# Altium PCB LST_UP.PcbDoc (part 1 of 5)
Units mil, origin at the board's own origin, x right, y up, seen from the top; angles counter-clockwise.
Board outline 4330.71 x 4330.71 mil, 2 copper layers (Top Layer, Bottom Layer), stack 50 mil thick; 469 components, 244 nets, 1341 pads, 130 vias.
Unrouted connection lines stored in the file: 12.
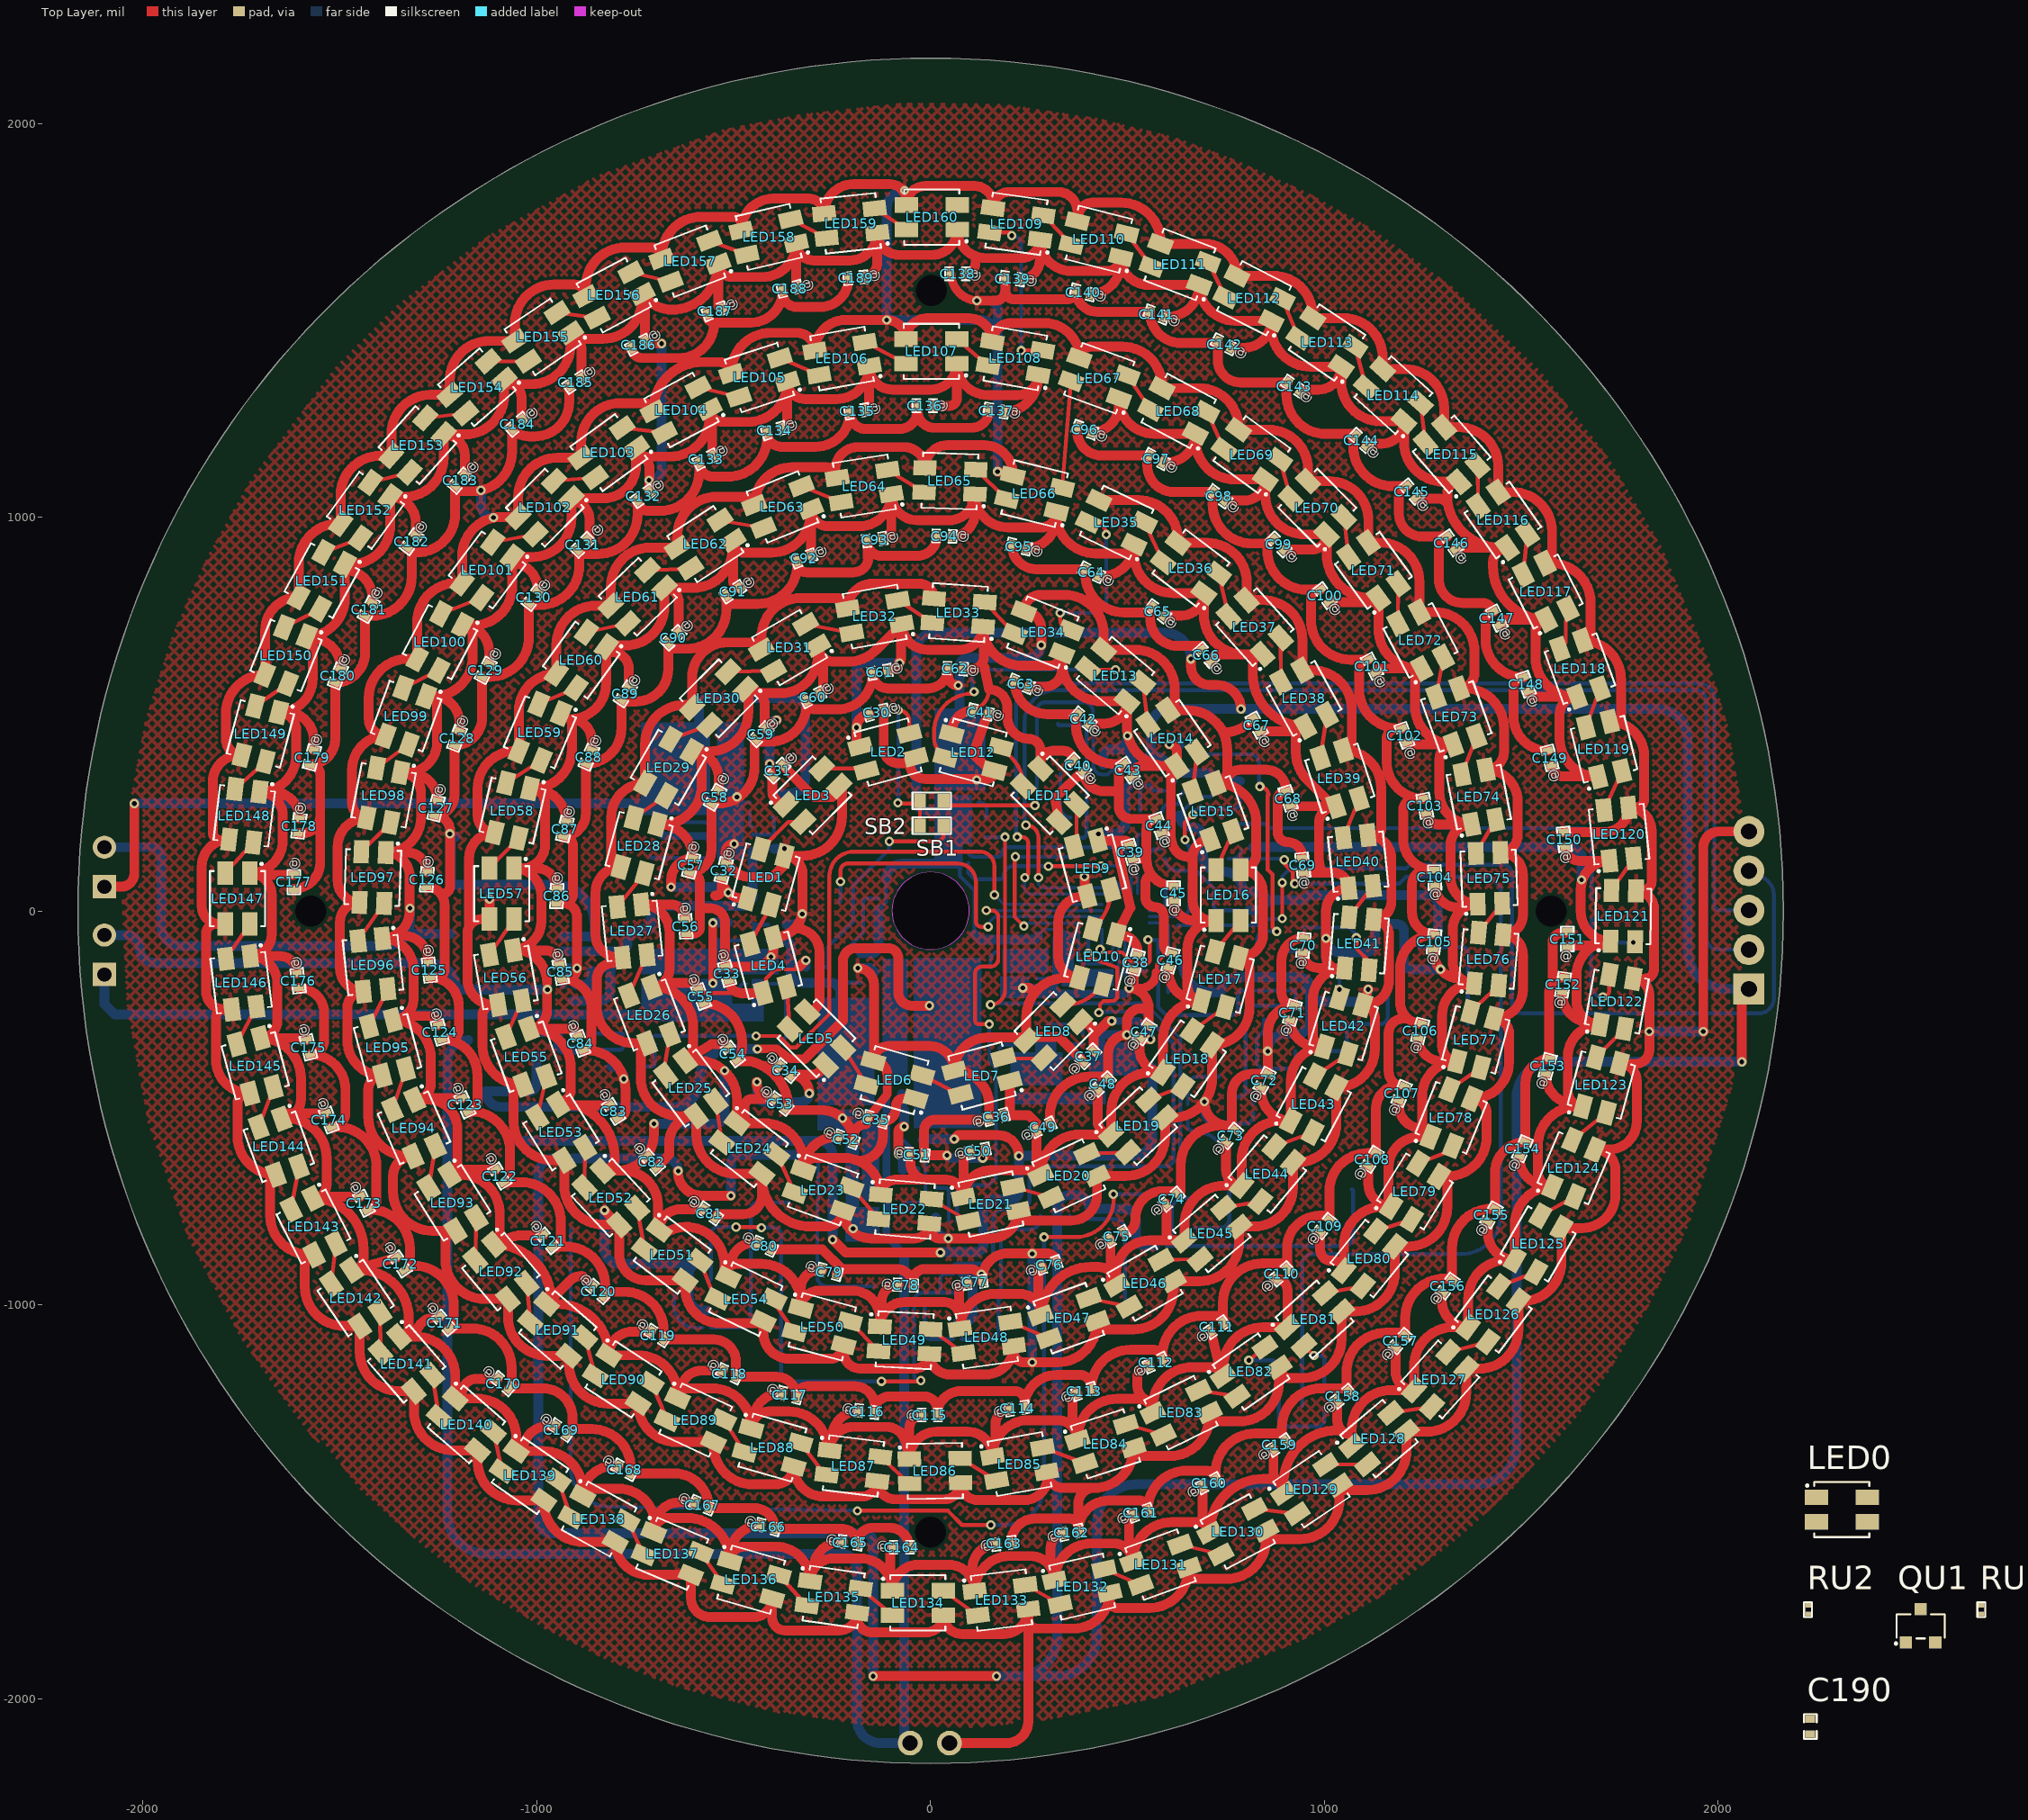
[diagram p0: Top Layer view]
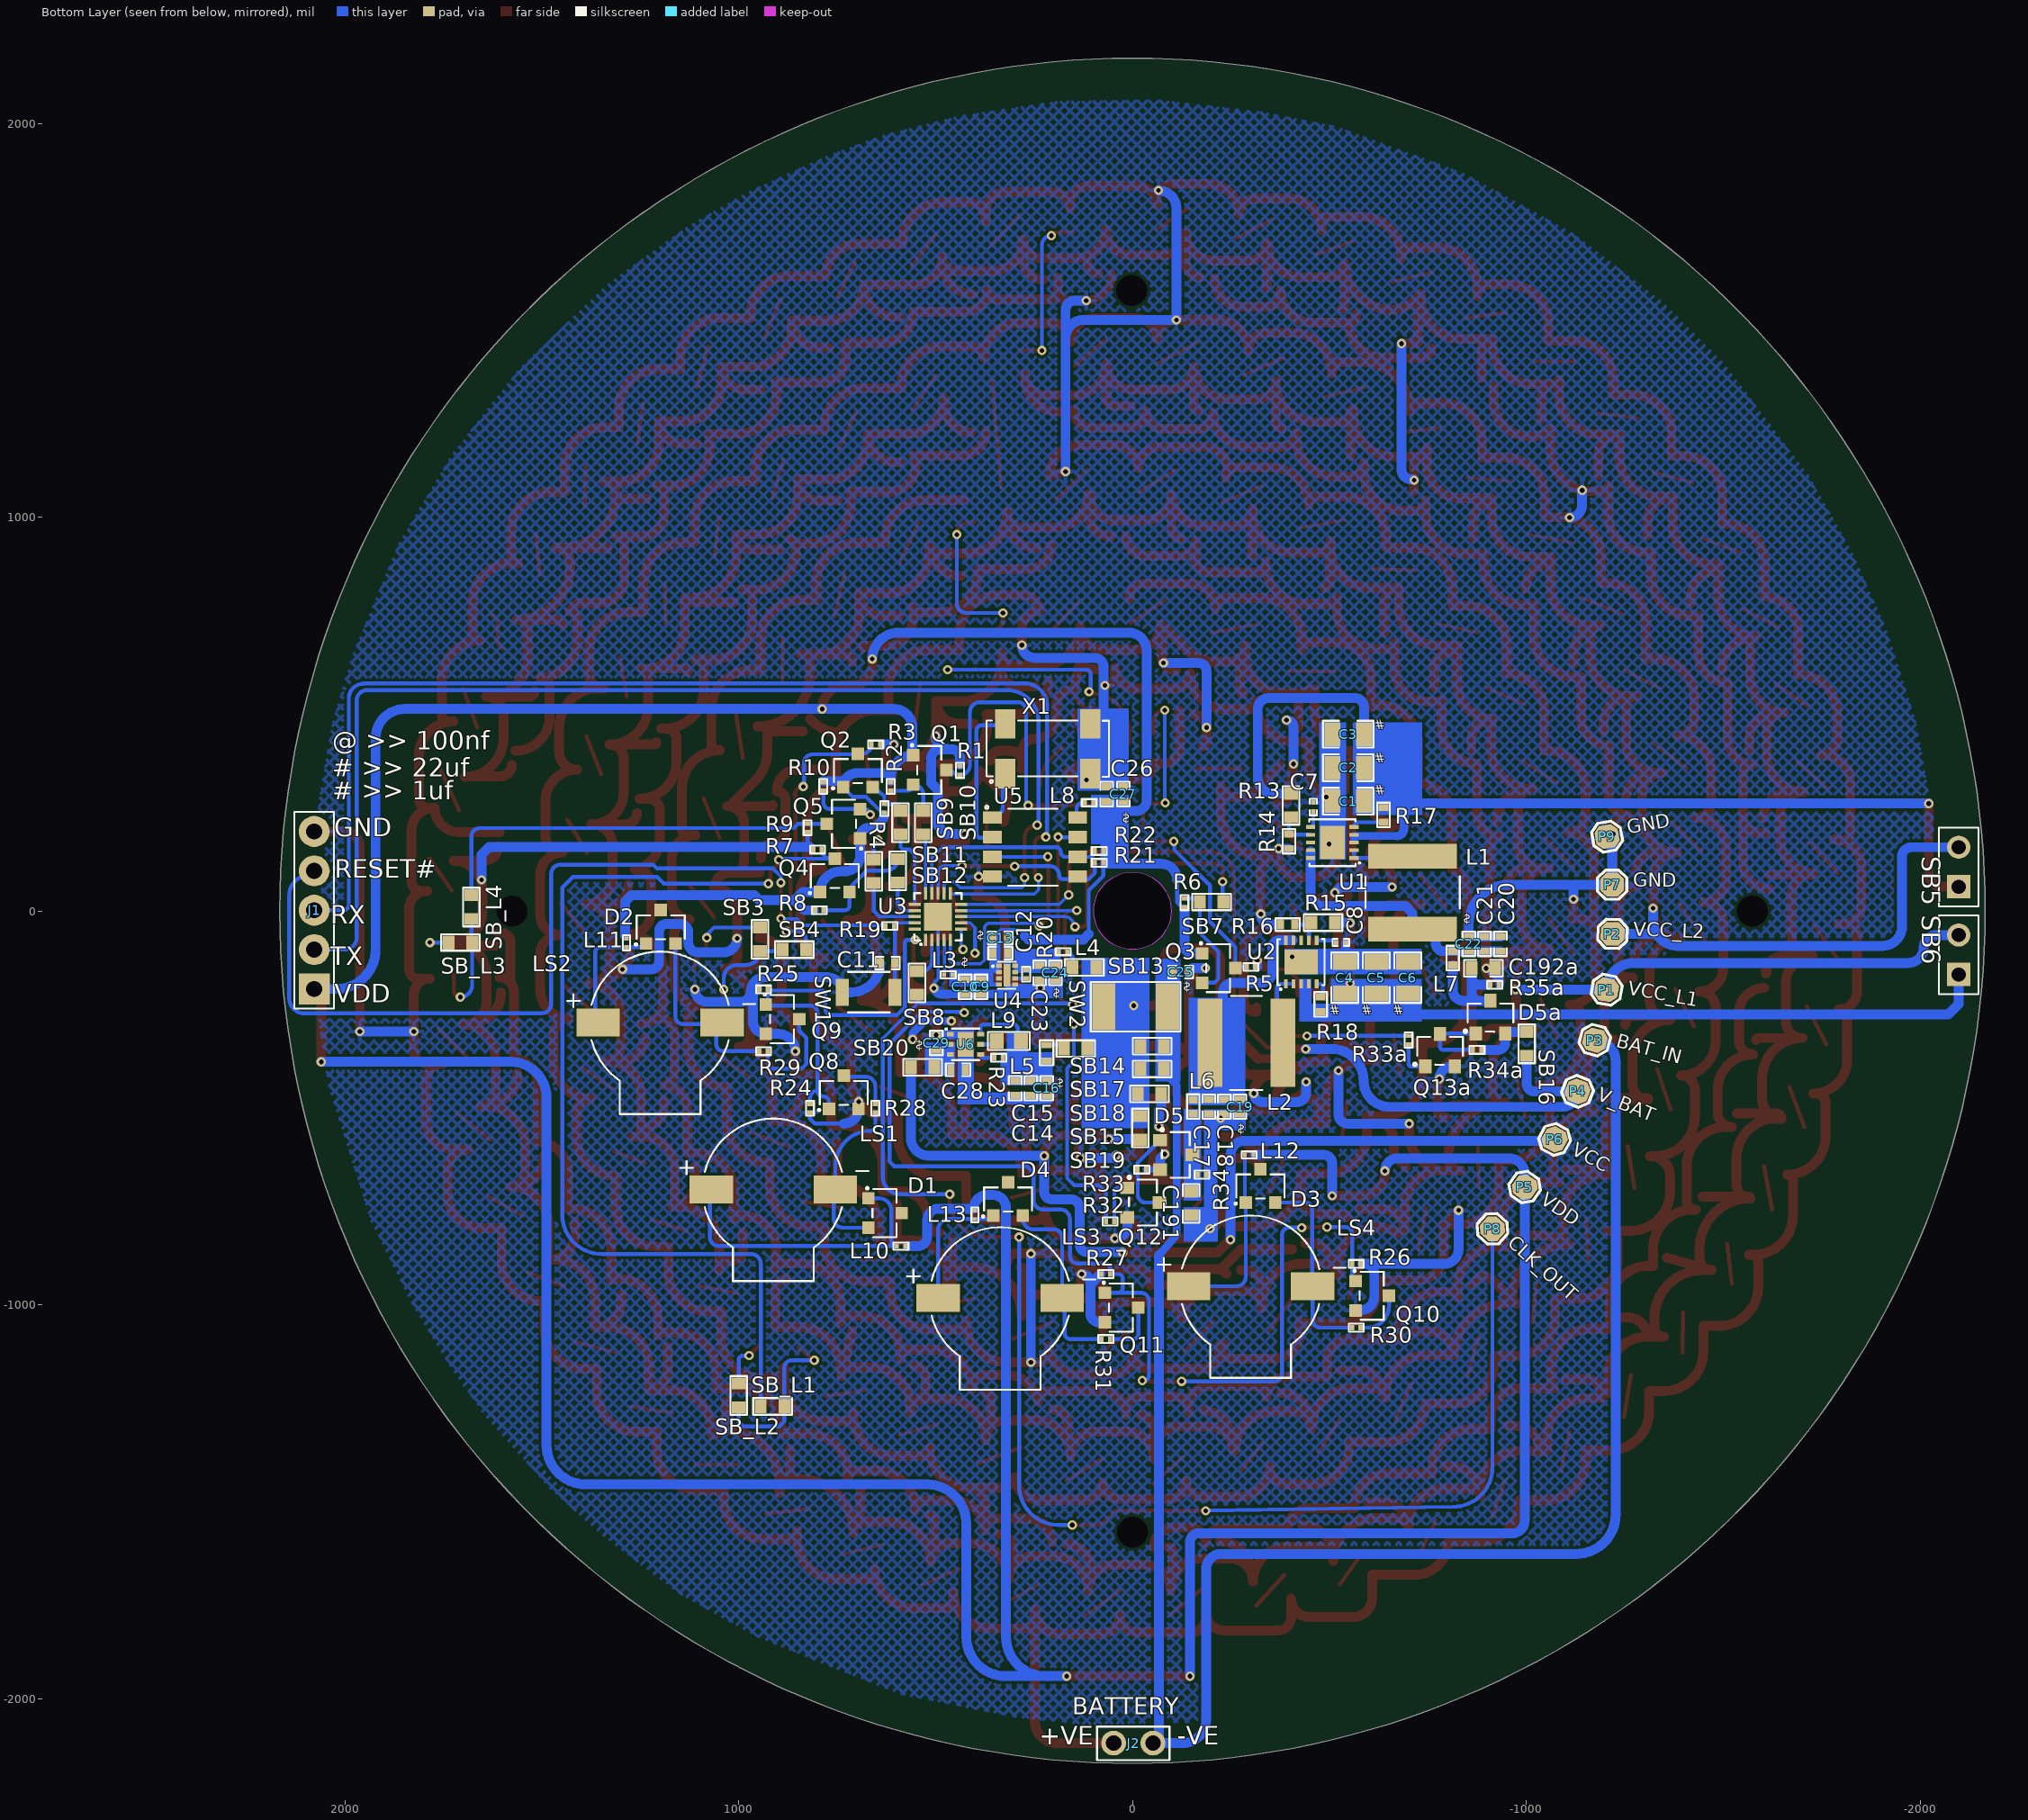
[diagram p1: Bottom Layer view, seen from below]
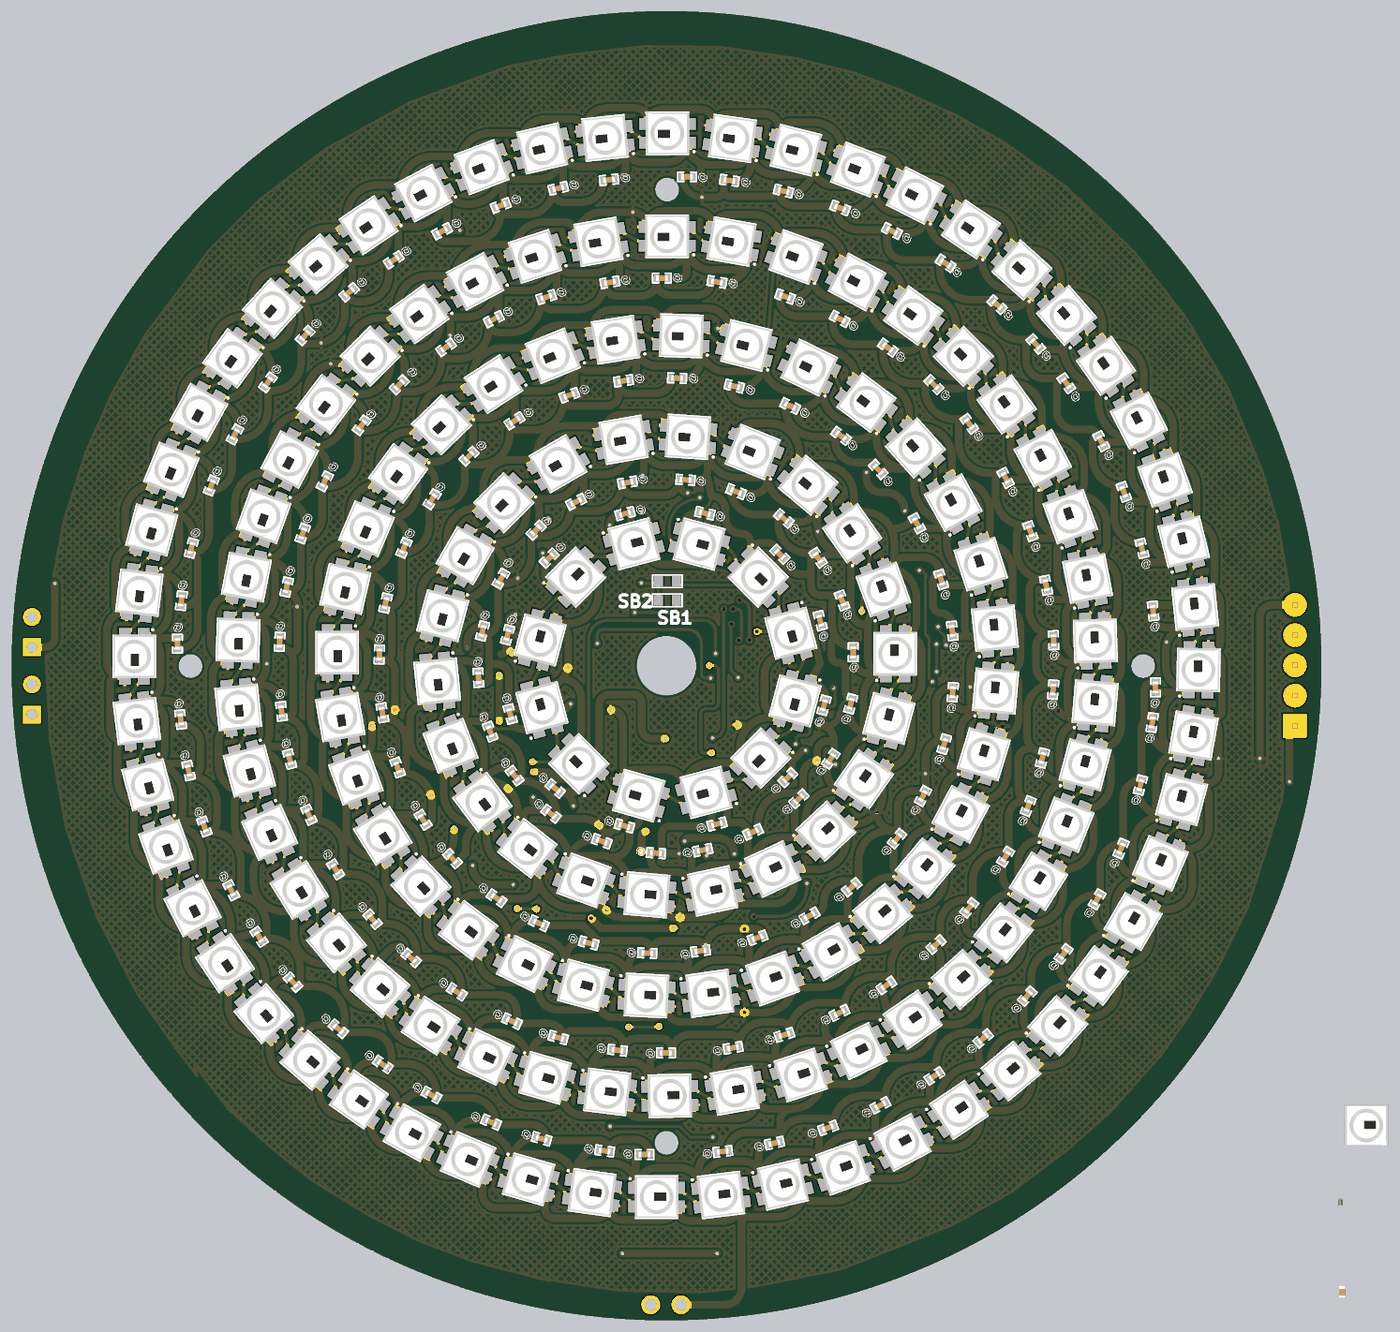
[diagram p6: 3D render of the assembled board from above, using the file's embedded part models]
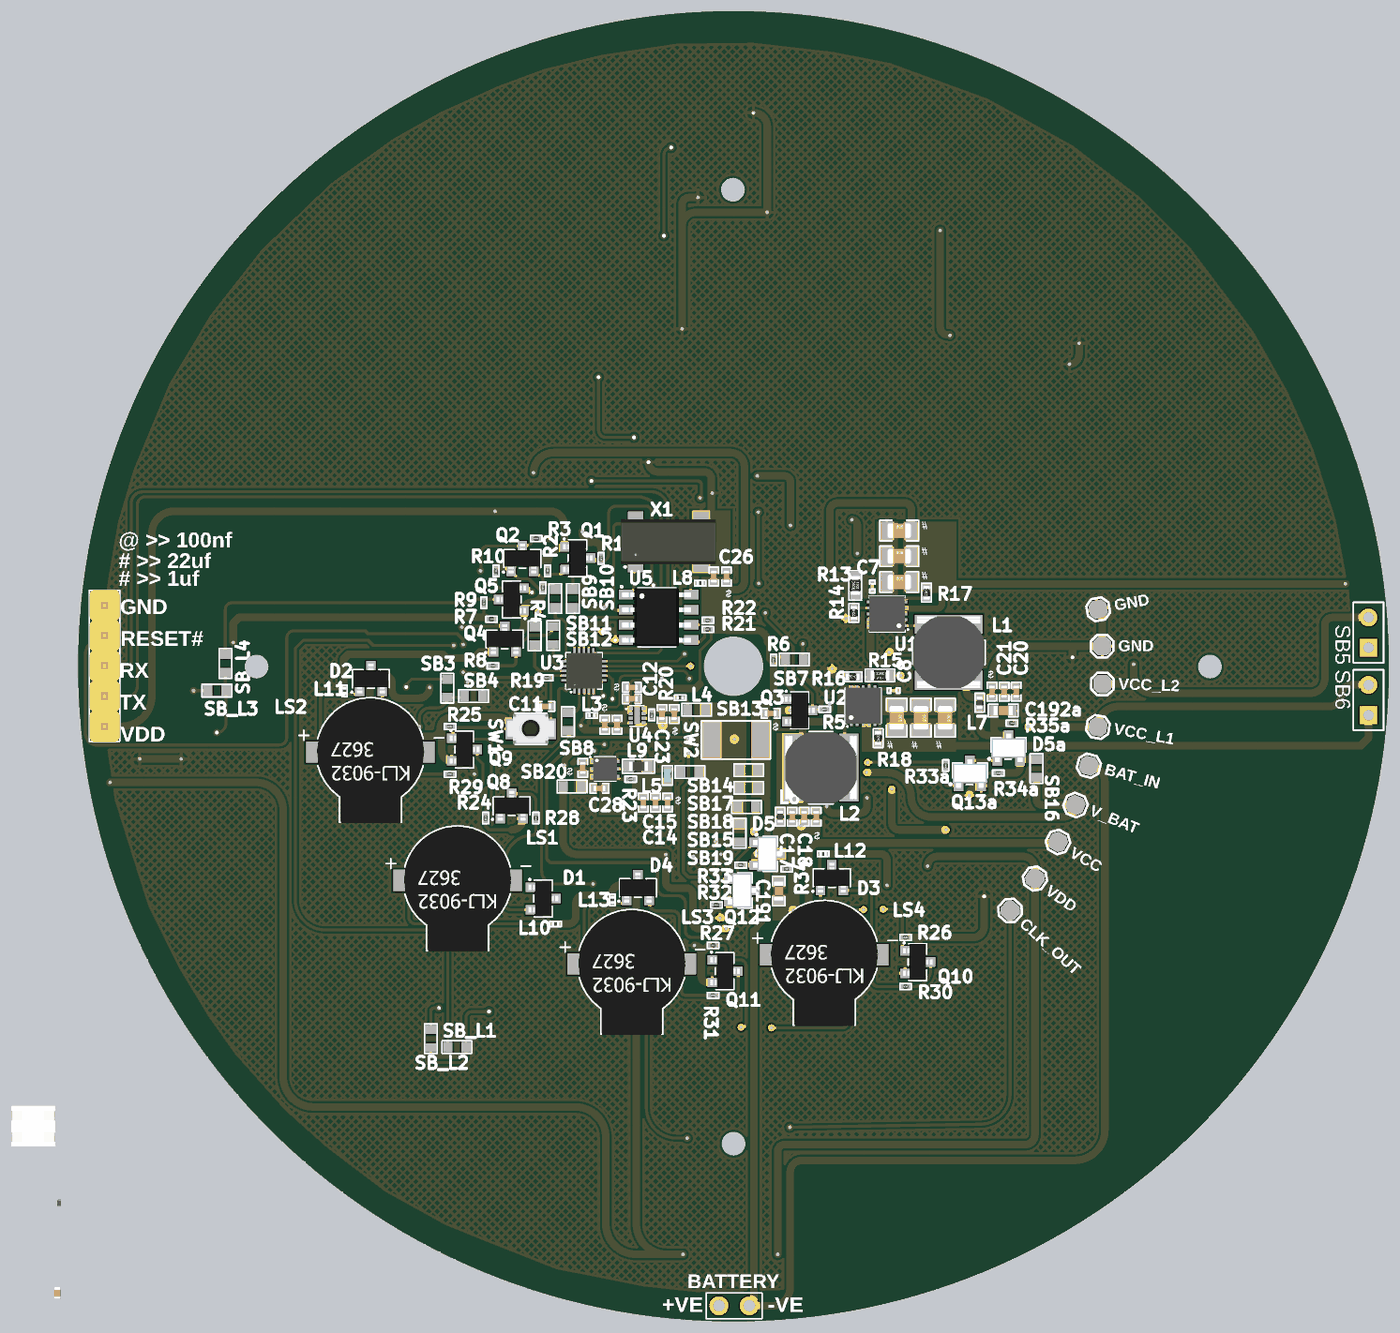
[diagram p7: 3D render of the assembled board from below, using the file's embedded part models]

## Layer stack, top to bottom
Top Solder: solder mask 3, Solder Resist, Dk 3.5
Top Layer: signal copper 10
Dielectric 1: dielectric 37, FR-4, Dk 4.8
Bottom Layer: signal copper 3
Bottom Solder: solder mask 10, Solder Resist, Dk 3.5

## Board outline
-2165.35,1 ccw(c0,1) 0,-2164.35 ccw(c0,1) 2165.35,1 ccw(c0,1) 0,2166.35 ccw(c0,1)
cut-out: -98.43,1 ccw(c0,1) 0,-97.43 ccw(c0,1) 98.43,1 ccw(c0,1) 0,99.43 ccw(c0,1)

## Design rules (kind name [scope] priority, off if disabled: settings)
Clearance [All] p1: gap=7 ignorepadtopadclearanceinfootprint=FALSE except(4: Arc-SMDPad Track-SMDPad SMDPad-SMDPad)
MinimumSolderMaskSliver [All] p1: minsoldermaskwidth=0
PlaneClearance [All] p1: clearance=30
PolygonConnect [All] p1: connectstyle=Relief reliefconductorwidth=10 reliefentries=4 polygonreliefangle="90 Angle" airgapwidth=10
RoomDefinition U_SOUND_SEC [InComponentClass('U_SOUND_SEC')] p1: confinementstyle=ConfineIn formatcopy=TRUE lockcomponents=FALSE outline -4084,-3398.61 -2084,-3398.61 -2084,-2398.61 -4084,-2398.61
RoomDefinition U_SEC_POWER [InComponentClass('U_SEC_POWER')] p2: confinementstyle=ConfineIn formatcopy=TRUE lockcomponents=FALSE outline -4084,-3398.61 -2084,-3398.61 -2084,-2398.61 -4084,-2398.61
RoomDefinition U_RTC_SEC [InComponentClass('U_RTC_SEC')] p3: confinementstyle=ConfineIn formatcopy=TRUE lockcomponents=FALSE outline -4084,-3398.61 -2084,-3398.61 -2084,-2398.61 -4084,-2398.61
RoomDefinition "U_Ring 5_D" [InComponentClass('U_Ring 5_D')] p4: confinementstyle=ConfineIn formatcopy=TRUE lockcomponents=FALSE outline -4084,-3398.61 -2084,-3398.61 -2084,-2398.61 -4084,-2398.61
RoomDefinition "U_Ring 5_C" [InComponentClass('U_Ring 5_C')] p5: confinementstyle=ConfineIn formatcopy=TRUE lockcomponents=FALSE outline -4084,-3398.61 -2084,-3398.61 -2084,-2398.61 -4084,-2398.61
RoomDefinition "U_Ring 5_B" [InComponentClass('U_Ring 5_B')] p6: confinementstyle=ConfineIn formatcopy=TRUE lockcomponents=FALSE outline -4084,-3398.61 -2084,-3398.61 -2084,-2398.61 -4084,-2398.61
RoomDefinition "U_Ring 5_A" [InComponentClass('U_Ring 5_A')] p7: confinementstyle=ConfineIn formatcopy=TRUE lockcomponents=FALSE outline -4084,-3398.61 -2084,-3398.61 -2084,-2398.61 -4084,-2398.61
RoomDefinition "U_Ring 4_C" [InComponentClass('U_Ring 4_C')] p8: confinementstyle=ConfineIn formatcopy=TRUE lockcomponents=FALSE outline -4084,-3398.61 -2084,-3398.61 -2084,-2398.61 -4084,-2398.61
RoomDefinition "U_Ring 4_B" [InComponentClass('U_Ring 4_B')] p9: confinementstyle=ConfineIn formatcopy=TRUE lockcomponents=FALSE outline -4084,-3398.61 -2084,-3398.61 -2084,-2398.61 -4084,-2398.61
RoomDefinition "U_Ring 4_A" [InComponentClass('U_Ring 4_A')] p10: confinementstyle=ConfineIn formatcopy=TRUE lockcomponents=FALSE outline -4084,-3398.61 -2084,-3398.61 -2084,-2398.61 -4084,-2398.61
RoomDefinition "U_Ring 3_C" [InComponentClass('U_Ring 3_C')] p11: confinementstyle=ConfineIn formatcopy=TRUE lockcomponents=FALSE outline -4084,-3398.61 -2084,-3398.61 -2084,-2398.61 -4084,-2398.61
RoomDefinition "U_Ring 3_B" [InComponentClass('U_Ring 3_B')] p12: confinementstyle=ConfineIn formatcopy=TRUE lockcomponents=FALSE outline -4084,-3398.61 -2084,-3398.61 -2084,-2398.61 -4084,-2398.61
RoomDefinition "U_Ring 3_A" [InComponentClass('U_Ring 3_A')] p13: confinementstyle=ConfineIn formatcopy=TRUE lockcomponents=FALSE outline -4084,-3398.61 -2084,-3398.61 -2084,-2398.61 -4084,-2398.61
RoomDefinition "U_Ring 2_B" [InComponentClass('U_Ring 2_B')] p14: confinementstyle=ConfineIn formatcopy=TRUE lockcomponents=FALSE outline -4084,-3398.61 -2084,-3398.61 -2084,-2398.61 -4084,-2398.61
RoomDefinition "U_Ring 2_A" [InComponentClass('U_Ring 2_A')] p15: confinementstyle=ConfineIn formatcopy=TRUE lockcomponents=FALSE outline -4084,-3398.61 -2084,-3398.61 -2084,-2398.61 -4084,-2398.61
RoomDefinition "U_Ring 1" [InComponentClass('U_Ring 1')] p16: confinementstyle=ConfineIn formatcopy=TRUE lockcomponents=FALSE outline 2210,-1597.61 2461,-1597.61 2461,-1341.61 2210,-1341.61
RoomDefinition "U_Power Section" [InComponentClass('U_Power Section')] p17: confinementstyle=ConfineIn formatcopy=TRUE lockcomponents=FALSE outline -4084,-3398.61 -2084,-3398.61 -2084,-2398.61 -4084,-2398.61
RoomDefinition U_POWER_SWITCH [InComponentClass('U_POWER_SWITCH')] p18: confinementstyle=ConfineIn formatcopy=TRUE lockcomponents=FALSE outline -4084,-3398.61 -2084,-3398.61 -2084,-2398.61 -4084,-2398.61
RoomDefinition U_MCU_POWER [InComponentClass('U_MCU_POWER')] p19: confinementstyle=ConfineIn formatcopy=TRUE lockcomponents=FALSE outline -4084,-3398.61 -2084,-3398.61 -2084,-2398.61 -4084,-2398.61
RoomDefinition U_MAIN_CONN [InComponentClass('U_MAIN_CONN')] p20: confinementstyle=ConfineIn formatcopy=TRUE lockcomponents=FALSE outline -4084,-3398.61 -2084,-3398.61 -2084,-2398.61 -4084,-2398.61
RoomDefinition U_LED_POWER [InComponentClass('U_LED_POWER')] p21: confinementstyle=ConfineIn formatcopy=TRUE lockcomponents=FALSE outline -4084,-3398.61 -2084,-3398.61 -2084,-2398.61 -4084,-2398.61
RoomDefinition "U_LED_POWER 2" [InComponentClass('U_LED_POWER 2')] p22: confinementstyle=ConfineIn formatcopy=TRUE lockcomponents=FALSE outline -4084,-3398.61 -2084,-3398.61 -2084,-2398.61 -4084,-2398.61
RoomDefinition U_LED_CONV_SIG [InComponentClass('U_LED_CONV_SIG')] p23: confinementstyle=ConfineIn formatcopy=TRUE lockcomponents=FALSE outline 2210,-1882.61 2821,-1882.61 2821,-1646.61 2210,-1646.61
RoomDefinition "U_Decoup_Cap 2" [InComponentClass('U_Decoup_Cap 2')] p24: confinementstyle=ConfineIn formatcopy=TRUE lockcomponents=FALSE outline -4084,-3398.61 -2084,-3398.61 -2084,-2398.61 -4084,-2398.61
RoomDefinition "U_Decoup_Cap 1" [InComponentClass('U_Decoup_Cap 1')] p25: confinementstyle=ConfineIn formatcopy=TRUE lockcomponents=FALSE outline 2210,-2109.61 2451,-2109.61 2451,-1931.61 2210,-1931.61
RoomDefinition "U_Connector Section" [InComponentClass('U_Connector Section')] p26: confinementstyle=ConfineIn formatcopy=TRUE lockcomponents=FALSE outline -4084,-3398.61 -2084,-3398.61 -2084,-2398.61 -4084,-2398.61
RoutingVias [All] p1: holewidth=11.81 width=23.62 viastyle="Through Hole" minholewidth=11.81 minwidth=23.62 maxholewidth=11.81 maxwidth=23.62
SilkToSilkClearance [All] p1: silktosilkclearance=0
SilkToSolderMaskClearance [IsPad] p1: minsilkscreentomaskgap=0 clearancetoexposedcopper=TRUE
SolderMaskExpansion [All] p1: expansion=4 istentingtop=FALSE
Width [All] p1: maxlimit=25 minlimit=8 preferedwidth=10
26 further rules are at their usual default settings.
